# KiCad board VME_Backplane_8ActPas.kicad_pcb (continued)
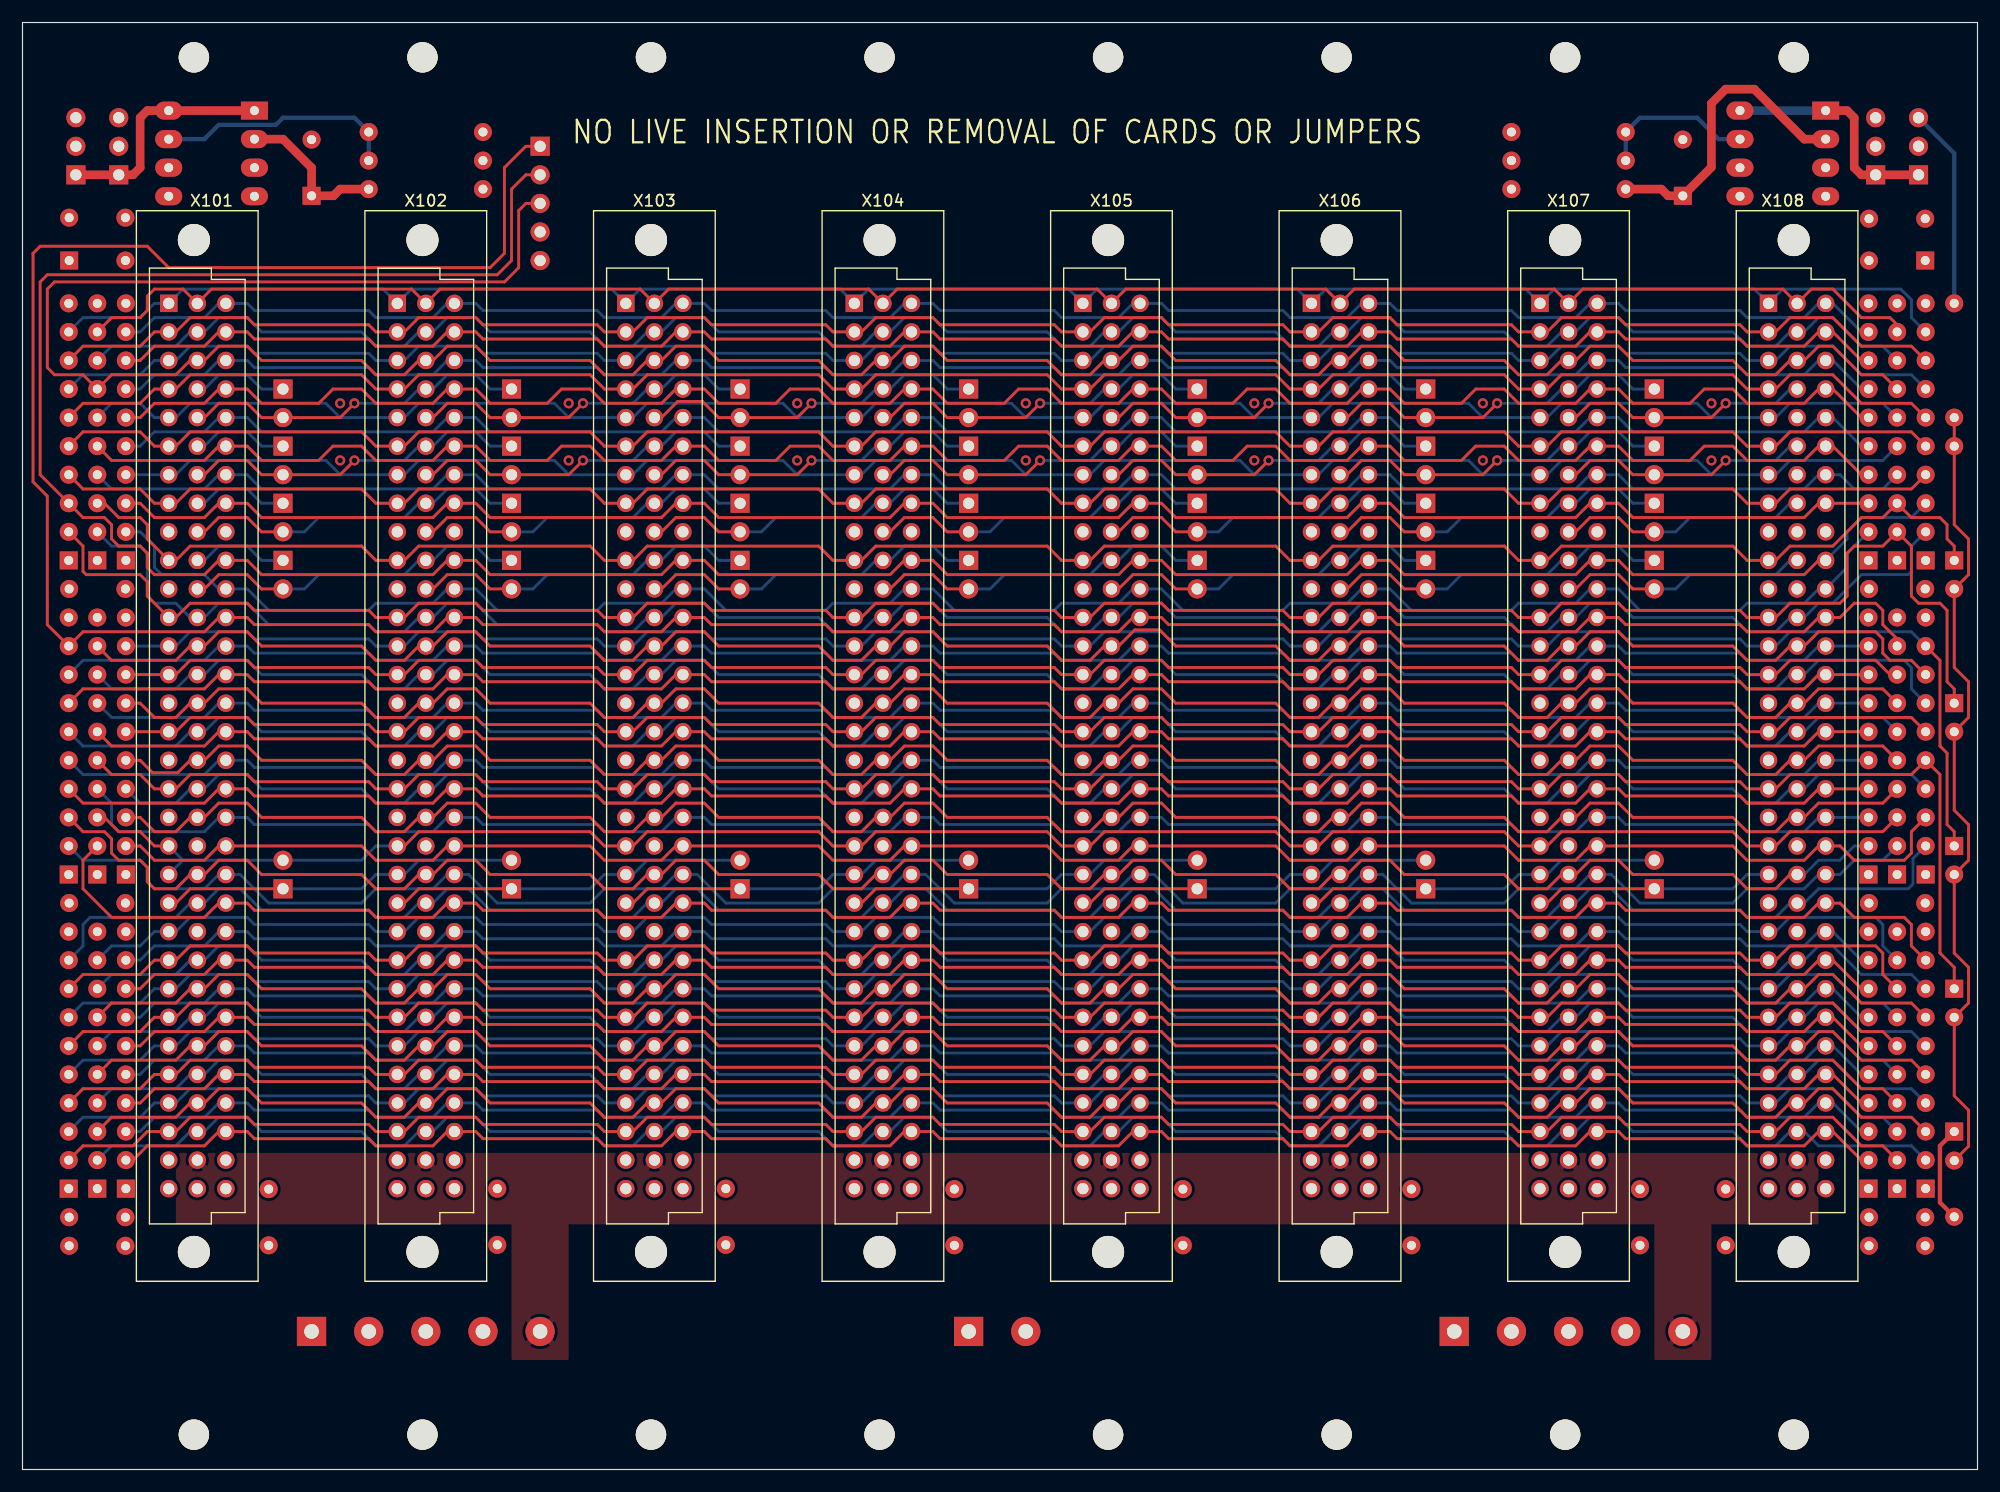
[diagram p0: board, top side]
## Nets (continued)
~{BG1OUT_6}: X106.b7 X107.b6 X406B1.2 X407B1.1
~{BG1OUT_7}: X107.b7 X108.b6 X407B1.2
~{BG2OUT_1}: X101.b9 X102.b8 X401C1.2 X402C1.1
~{BG2OUT_2}: X102.b9 X103.b8 X402C1.2 X403C1.1
~{BG2OUT_3}: X103.b9 X104.b8 X403C1.2 X404C1.1
~{BG2OUT_4}: X104.b9 X105.b8 X404C1.2 X405C1.1
~{BG2OUT_5}: X105.b9 X106.b8 X405C1.2 X406C1.1
~{BG2OUT_6}: X106.b9 X107.b8 X406C1.2 X407C1.1
~{BG2OUT_7}: X107.b9 X108.b8 X407C1.2
~{BG3OUT_1}: X101.b11 X102.b10 X401D1.2 X402D1.1
~{BG3OUT_2}: X102.b11 X103.b10 X402D1.2 X403D1.1
~{BG3OUT_3}: X103.b11 X104.b10 X403D1.2 X404D1.1
~{BG3OUT_4}: X104.b11 X105.b10 X404D1.2 X405D1.1
~{BG3OUT_5}: X105.b11 X106.b10 X405D1.2 X406D1.1
~{BG3OUT_6}: X106.b11 X107.b10 X406D1.2 X407D1.1
~{BG3OUT_7}: X107.b11 X108.b10 X407D1.2
~{BR0}: R2.2 R12.2 X101.b12 X102.b12 X103.b12 X104.b12 X105.b12 X106.b12 X107.b12 X108.b12
~{BR1}: R5.9 R15.8 X101.b13 X102.b13 X103.b13 X104.b13 X105.b13 X106.b13 X107.b13 X108.b13
~{BR2}: R5.8 R15.7 X101.b14 X102.b14 X103.b14 X104.b14 X105.b14 X106.b14 X107.b14 X108.b14
~{BR3}: R6.7 R14.7 X101.b15 X102.b15 X103.b15 X104.b15 X105.b15 X106.b15 X107.b15 X108.b15
~{DS0}: D3.1 R6.9 R15.9 X101.a13 X102.a13 X103.a13 X104.a13 X105.a13 X106.a13 X107.a13 X108.a13
~{DS1}: D2.1 R1.2 R11.2 X101.a12 X102.a12 X103.a12 X104.a12 X105.a12 X106.a12 X107.a12 X108.a12
~{DTACK}: R6.6 R15.6 X101.a16 X102.a16 X103.a16 X104.a16 X105.a16 X106.a16 X107.a16 X108.a16
~{IACKOUT_1}: X101.a22 X102.a21 X501.1 X502.2
~{IACKOUT_2}: X102.a22 X103.a21 X502.1 X503.2
~{IACKOUT_3}: X103.a22 X104.a21 X503.1 X504.2
~{IACKOUT_4}: X104.a22 X105.a21 X504.1 X505.2
~{IACKOUT_5}: X105.a22 X106.a21 X505.1 X506.2
~{IACKOUT_6}: X106.a22 X107.a21 X506.1 X507.2
~{IACKOUT_7}: X107.a22 X108.a21 X507.1
~{IACK}: R5.3 R14.3 X101.a20 X101.a21 X102.a20 X103.a20 X104.a20 X105.a20 X106.a20 X107.a20 X108.a20 X501.2
~{IRQ1}: R8.2 R18.2 X101.b30 X102.b30 X103.b30 X104.b30 X105.b30 X106.b30 X107.b30 X108.b30
~{IRQ2}: R8.3 R18.3 X101.b29 X102.b29 X103.b29 X104.b29 X105.b29 X106.b29 X107.b29 X108.b29
~{IRQ3}: R8.4 R18.4 X101.b28 X102.b28 X103.b28 X104.b28 X105.b28 X106.b28 X107.b28 X108.b28
~{IRQ4}: R8.5 R18.5 X101.b27 X102.b27 X103.b27 X104.b27 X105.b27 X106.b27 X107.b27 X108.b27
~{IRQ5}: R8.6 R18.6 X101.b26 X102.b26 X103.b26 X104.b26 X105.b26 X106.b26 X107.b26 X108.b26
~{IRQ6}: R8.7 R18.7 X101.b25 X102.b25 X103.b25 X104.b25 X105.b25 X106.b25 X107.b25 X108.b25
~{IRQ7}: R8.8 R18.8 X101.b24 X102.b24 X103.b24 X104.b24 X105.b24 X106.b24 X107.b24 X108.b24
~{LWORD}: R4.8 R13.9 X101.c13 X102.c13 X103.c13 X104.c13 X105.c13 X106.c13 X107.c13 X108.c13
~{SERDAT}: R7.9 R15.2 X101.b22 X102.b22 X103.b22 X104.b22 X105.b22 X106.b22 X107.b22 X108.b22
~{SYSFAIL}: R1.3 R12.3 X1.2 X101.c10 X102.c10 X103.c10 X104.c10 X105.c10 X106.c10 X107.c10 X108.c10
~{SYSRESET}: R4.9 R14.9 X1.1 X101.c12 X102.c12 X103.c12 X104.c12 X105.c12 X106.c12 X107.c12 X108.c12
~{WRITE}: R6.8 R14.8 X101.a14 X102.a14 X103.a14 X104.a14 X105.a14 X106.a14 X107.a14 X108.a14
Net-(C9-Pad1): C9.1 D1.2 D2.2 D3.2 D4.2 D5.2 R105.2
Net-(C14-Pad1): C14.1 R106.1 U1.2
Net-(C15-Pad1): C15.1 R107.1 U2.2
Net-(R101-Pad2): R101.2 R102.1 U1.7
Net-(R103-Pad1): R103.1 R104.1 U2.7
Net-(X101-Padb4): X101.b4 X401A1.1
Net-(X101-Padb6): X101.b6 X401B1.1
Net-(X101-Padb8): X101.b8 X401C1.1
Net-(X101-Padb10): X101.b10 X401D1.1

Pads without a net: U1 3 5 6; U2 3 5 6; X108 a22 b5 b7 b9 b11

## Via types
v1: diameter 0.9, hole 0.5, Top to Bottom, 28 vias

## Routing (per net, layer and track width the routed paths; a pad name or vN(x,y) marks a point on that pad's centre or on a via; arc(x,y) is an arc through that point)
+5V: length 17.8
  Bottom w0.381: X3H1.3 171.75,117.06 R105.1
GND: length 8.6
  Top w0.381: C9.2 170.48,23.75 170.48,28.79 D5.1
  vias: v1(28.24,94.83) v1(28.24,89.75) v1(48.56,94.83) v1(48.56,89.75) v1(68.88,94.83) v1(68.88,89.75) v1(89.2,94.83) v1(89.2,89.75) v1(109.52,94.83) v1(109.52,89.75) v1(129.84,94.83) v1(129.84,89.75) v1(150.16,94.83) v1(150.16,89.75)
A1: length 173.1
  Top w0.254: R7.2 5.38,28.79 9.82,28.79 11.09,30.06 X101.a30 13.63,30.06 14.91,31.33 19.98,31.33 20.62,30.7 30.78,30.7 31.41,30.06 X102.a30 33.96,30.06 35.23,31.33 40.3,31.33 40.94,30.7 51.1,30.7 51.73,30.06 X103.a30 54.27,30.06 55.54,31.33 60.62,31.33 61.26,30.7 71.42,30.7 72.06,30.06 X104.a30 74.59,30.06 75.87,31.33 80.94,31.33 81.58,30.7 91.74,30.7 92.38,30.06 X105.a30 94.91,30.06 96.19,31.33 101.26,31.33 101.9,30.7 112.06,30.7 112.69,30.06 X106.a30 115.23,30.06 116.5,31.33 121.58,31.33 122.22,30.7 132.38,30.7 133.01,30.06 X107.a30 135.55,30.06 136.82,31.33 141.91,31.33 142.54,30.7 152.7,30.7 153.33,30.06 X108.a30 155.88,30.06 157.14,31.33 160.95,31.33 163.5,28.79 165.4,28.79 R17.2
A2: length 173.1
  Bottom w0.254: R17.3 165.4,31.33 163.5,31.33 160.95,33.87 157.14,33.87 155.88,32.6 X108.a29 153.33,32.6 152.7,33.24 142.54,33.24 141.91,33.87 136.82,33.87 135.55,32.6 X107.a29 133.01,32.6 132.38,33.24 122.22,33.24 121.58,33.87 116.5,33.87 115.23,32.6 X106.a29 112.69,32.6 112.06,33.24 101.9,33.24 101.26,33.87 96.19,33.87 94.91,32.6 X105.a29 92.38,32.6 91.74,33.24 81.58,33.24 80.94,33.87 75.87,33.87 74.59,32.6 X104.a29 72.06,32.6 71.42,33.24 61.26,33.24 60.62,33.87 55.54,33.87 54.27,32.6 X103.a29 51.73,32.6 51.1,33.24 40.94,33.24 40.3,33.87 35.23,33.87 33.96,32.6 X102.a29 31.41,32.6 30.78,33.24 20.62,33.24 19.98,33.87 14.91,33.87 13.63,32.6 X101.a29 11.73,32.6 10.46,31.33 5.38,31.33 R7.3
A3: length 173.1
  Top w0.254: R17.4 165.4,33.87 163.5,33.87 160.95,36.41 157.14,36.41 155.88,35.14 X108.a28 153.33,35.14 152.7,35.78 142.54,35.78 141.91,36.41 136.82,36.41 135.55,35.14 X107.a28 133.01,35.14 132.38,35.78 122.22,35.78 121.58,36.41 116.5,36.41 115.23,35.14 X106.a28 112.69,35.14 112.06,35.78 101.9,35.78 101.26,36.41 96.19,36.41 94.91,35.14 X105.a28 92.38,35.14 91.74,35.78 81.58,35.78 80.94,36.41 75.87,36.41 74.59,35.14 X104.a28 72.06,35.14 71.42,35.78 61.26,35.78 60.62,36.41 55.54,36.41 54.27,35.14 X103.a28 51.73,35.14 51.1,35.78 40.94,35.78 40.3,36.41 35.23,36.41 33.96,35.14 X102.a28 31.41,35.14 30.78,35.78 20.62,35.78 19.98,36.41 14.91,36.41 13.63,35.14 X101.a28 11.73,35.14 10.46,33.87 5.38,33.87 R7.4
A4: length 173.1
  Bottom w0.254: R17.5 165.4,36.41 163.5,36.41 160.95,38.95 157.14,38.95 155.88,37.68 X108.a27 153.33,37.68 152.7,38.32 142.54,38.32 141.91,38.95 136.82,38.95 135.55,37.68 X107.a27 133.01,37.68 132.38,38.32 122.22,38.32 121.58,38.95 116.5,38.95 115.23,37.68 X106.a27 112.69,37.68 112.06,38.32 101.9,38.32 101.26,38.95 96.19,38.95 94.91,37.68 X105.a27 92.38,37.68 91.74,38.32 81.58,38.32 80.94,38.95 75.87,38.95 74.59,37.68 X104.a27 72.06,37.68 71.42,38.32 61.26,38.32 60.62,38.95 55.54,38.95 54.27,37.68 X103.a27 51.73,37.68 51.1,38.32 40.94,38.32 40.3,38.95 35.23,38.95 33.96,37.68 X102.a27 31.41,37.68 30.78,38.32 20.62,38.32 19.98,38.95 14.91,38.95 13.63,37.68 X101.a27 11.73,37.68 10.91,36.86 10.91,36.86 10.45,36.41 5.38,36.41 R7.5
A5: length 173.1
  Top w0.254: R7.6 5.38,38.95 10.46,38.95 11.73,40.22 X101.a26 13.63,40.22 14.91,41.49 19.98,41.49 20.62,40.86 30.78,40.86 31.41,40.22 X102.a26 33.96,40.22 35.23,41.49 40.3,41.49 40.94,40.86 51.1,40.86 51.73,40.22 X103.a26 54.27,40.22 55.54,41.49 60.62,41.49 61.26,40.86 71.42,40.86 72.06,40.22 X104.a26 74.59,40.22 75.87,41.49 80.94,41.49 81.58,40.86 91.74,40.86 92.38,40.22 X105.a26 94.91,40.22 96.19,41.49 101.26,41.49 101.9,40.86 112.06,40.86 112.69,40.22 X106.a26 115.23,40.22 116.5,41.49 121.58,41.49 122.22,40.86 132.38,40.86 133.01,40.22 X107.a26 135.55,40.22 136.82,41.49 141.91,41.49 142.54,40.86 152.7,40.86 153.33,40.22 X108.a26 155.88,40.22 157.14,41.49 160.95,41.49 163.5,38.95 165.4,38.95 R17.6
A6: length 173.1
  Bottom w0.254: R17.7 165.4,41.49 163.5,41.49 160.95,44.03 157.14,44.03 155.88,42.76 X108.a25 153.33,42.76 152.7,43.4 142.54,43.4 141.91,44.03 136.82,44.03 135.55,42.76 X107.a25 133.01,42.76 132.38,43.4 122.22,43.4 121.58,44.03 116.5,44.03 115.23,42.76 X106.a25 112.69,42.76 112.06,43.4 101.9,43.4 101.26,44.03 96.19,44.03 94.91,42.76 X105.a25 92.38,42.76 91.74,43.4 81.58,43.4 80.94,44.03 75.87,44.03 74.59,42.76 X104.a25 72.06,42.76 71.42,43.4 61.26,43.4 60.62,44.03 55.54,44.03 54.27,42.76 X103.a25 51.73,42.76 51.1,43.4 40.94,43.4 40.3,44.03 35.23,44.03 33.96,42.76 X102.a25 31.41,42.76 30.78,43.4 20.62,43.4 19.98,44.03 14.91,44.03 13.63,42.76 X101.a25 11.73,42.76 10.91,41.94 10.91,41.94 10.45,41.49 5.38,41.49 R7.7
A7: length 174.2
  Top w0.254: R17.8 165.4,44.03 165.4,45.94 164.76,46.57 157.14,46.57 155.88,45.3 X108.a24 153.33,45.3 152.7,45.94 142.54,45.94 141.91,46.57 136.82,46.57 135.55,45.3 X107.a24 133.01,45.3 132.38,45.94 122.22,45.94 121.58,46.57 116.5,46.57 115.23,45.3 X106.a24 112.69,45.3 112.06,45.94 101.9,45.94 101.26,46.57 96.19,46.57 94.91,45.3 X105.a24 92.38,45.3 91.74,45.94 81.58,45.94 80.94,46.57 75.87,46.57 74.59,45.3 X104.a24 72.06,45.3 71.42,45.94 61.26,45.94 60.62,46.57 55.54,46.57 54.27,45.3 X103.a24 51.73,45.3 51.1,45.94 40.94,45.94 40.3,46.57 35.23,46.57 33.96,45.3 X102.a24 31.41,45.3 30.78,45.94 20.62,45.94 19.98,46.57 14.91,46.57 13.63,45.3 X101.a24 11.73,45.3 10.46,44.03 5.38,44.03 R7.8
A8: length 164.4
  Top w0.254: R9.2 9.82,27.52 11.09,28.79 16.17,28.79 17.45,30.06 X101.c30 19.98,30.06 20.62,29.43 30.78,29.43 31.41,28.79 36.49,28.79 37.76,30.06 X102.c30 40.3,30.06 40.94,29.43 51.1,29.43 51.73,28.79 56.82,28.79 58.09,30.06 X103.c30 60.62,30.06 61.26,29.43 71.42,29.43 72.06,28.79 77.13,28.79 78.41,30.06 X104.c30 80.94,30.06 81.58,29.43 91.74,29.43 92.38,28.79 97.45,28.79 98.72,30.06 X105.c30 101.26,30.06 101.9,29.43 112.06,29.43 112.69,28.79 117.78,28.79 119.04,30.06 X106.c30 121.58,30.06 122.22,29.43 132.38,29.43 133.01,28.79 138.09,28.79 139.36,30.06 X107.c30 141.91,30.06 142.54,29.43 152.7,29.43 153.33,28.79 158.41,28.79 159.69,30.06 X108.c30 160.95,30.06 163.5,27.52 R16.2
A9: length 164.4
  Bottom w0.254: R9.3 10.46,30.06 11.73,31.33 16.17,31.33 17.45,32.6 X101.c29 19.98,32.6 20.62,31.97 30.78,31.97 31.41,31.33 36.49,31.33 37.76,32.6 X102.c29 40.3,32.6 40.94,31.97 51.1,31.97 51.73,31.33 56.82,31.33 58.09,32.6 X103.c29 60.62,32.6 61.26,31.97 71.42,31.97 72.06,31.33 77.13,31.33 78.41,32.6 X104.c29 80.94,32.6 81.58,31.97 91.74,31.97 92.38,31.33 97.45,31.33 98.72,32.6 X105.c29 101.26,32.6 101.9,31.97 112.06,31.97 112.69,31.33 117.78,31.33 119.04,32.6 X106.c29 121.58,32.6 122.22,31.97 132.38,31.97 133.01,31.33 138.09,31.33 139.36,32.6 X107.c29 141.91,32.6 142.54,31.97 152.7,31.97 153.33,31.33 158.41,31.33 159.69,32.6 X108.c29 160.95,32.6 163.5,30.06 R16.3
A10: length 164.4
  Top w0.254: R16.4 163.5,32.6 160.95,35.14 X108.c28 159.69,35.14 158.41,33.87 153.33,33.87 152.7,34.51 142.54,34.51 141.91,35.14 X107.c28 139.36,35.14 138.09,33.87 133.01,33.87 132.38,34.51 122.22,34.51 121.58,35.14 X106.c28 119.04,35.14 117.78,33.87 112.69,33.87 112.06,34.51 101.9,34.51 101.26,35.14 X105.c28 98.72,35.14 97.45,33.87 92.38,33.87 91.74,34.51 81.58,34.51 80.94,35.14 X104.c28 78.41,35.14 77.13,33.87 72.06,33.87 71.42,34.51 61.26,34.51 60.62,35.14 X103.c28 58.09,35.14 56.82,33.87 51.73,33.87 51.1,34.51 40.94,34.51 40.3,35.14 X102.c28 37.76,35.14 36.49,33.87 31.41,33.87 30.78,34.51 20.62,34.51 19.98,35.14 X101.c28 17.45,35.14 16.17,33.87 11.73,33.87 10.46,32.6 R9.4
A11: length 164.4
  Bottom w0.254: R16.5 163.5,35.14 160.95,37.68 X108.c27 159.69,37.68 158.41,36.41 153.33,36.41 152.7,37.05 142.54,37.05 141.91,37.68 X107.c27 139.36,37.68 138.09,36.41 133.01,36.41 132.38,37.05 122.22,37.05 121.58,37.68 X106.c27 119.04,37.68 117.78,36.41 112.69,36.41 112.06,37.05 101.9,37.05 101.26,37.68 X105.c27 98.72,37.68 97.45,36.41 92.38,36.41 91.74,37.05 81.58,37.05 80.94,37.68 X104.c27 78.41,37.68 77.13,36.41 72.06,36.41 71.42,37.05 61.26,37.05 60.62,37.68 X103.c27 58.09,37.68 56.82,36.41 51.73,36.41 51.1,37.05 40.94,37.05 40.3,37.68 X102.c27 37.76,37.68 36.49,36.41 31.41,36.41 30.78,37.05 20.62,37.05 19.98,37.68 X101.c27 17.45,37.68 16.17,36.41 11.73,36.41 10.46,35.14 R9.5
A12: length 164.4
  Top w0.254: R9.6 10.46,37.68 11.73,38.95 16.17,38.95 17.45,40.22 X101.c26 19.98,40.22 20.62,39.59 30.78,39.59 31.41,38.95 36.49,38.95 37.76,40.22 X102.c26 40.3,40.22 40.94,39.59 51.1,39.59 51.73,38.95 56.82,38.95 58.09,40.22 X103.c26 60.62,40.22 61.26,39.59 71.42,39.59 72.06,38.95 77.13,38.95 78.41,40.22 X104.c26 80.94,40.22 81.58,39.59 91.74,39.59 92.38,38.95 97.45,38.95 98.72,40.22 X105.c26 101.26,40.22 101.9,39.59 112.06,39.59 112.69,38.95 117.78,38.95 119.04,40.22 X106.c26 121.58,40.22 122.22,39.59 132.38,39.59 133.01,38.95 138.09,38.95 139.36,40.22 X107.c26 141.91,40.22 142.54,39.59 152.7,39.59 153.33,38.95 158.41,38.95 159.69,40.22 X108.c26 160.95,40.22 163.5,37.68 R16.6
A13: length 164.4
  Bottom w0.254: R9.7 10.46,40.22 11.73,41.49 16.17,41.49 17.45,42.76 X101.c25 19.98,42.76 20.62,42.13 30.78,42.13 31.41,41.49 36.49,41.49 37.76,42.76 X102.c25 40.3,42.76 40.94,42.13 51.1,42.13 51.73,41.49 56.82,41.49 58.09,42.76 X103.c25 60.62,42.76 61.26,42.13 71.42,42.13 72.06,41.49 77.13,41.49 78.41,42.76 X104.c25 80.94,42.76 81.58,42.13 91.74,42.13 92.38,41.49 97.45,41.49 98.72,42.76 X105.c25 101.26,42.76 101.9,42.13 112.06,42.13 112.69,41.49 117.78,41.49 119.04,42.76 X106.c25 121.58,42.76 122.22,42.13 132.38,42.13 133.01,41.49 138.09,41.49 139.36,42.76 X107.c25 141.91,42.76 142.54,42.13 152.7,42.13 153.33,41.49 158.41,41.49 159.69,42.76 X108.c25 160.95,42.76 163.5,40.22 R16.7
A14: length 164.4
  Top w0.254: R9.8 10.46,42.76 11.73,44.03 16.17,44.03 17.45,45.3 X101.c24 19.98,45.3 20.62,44.67 30.78,44.67 31.41,44.03 36.49,44.03 37.76,45.3 X102.c24 40.3,45.3 40.94,44.67 51.1,44.67 51.73,44.03 56.82,44.03 58.09,45.3 X103.c24 60.62,45.3 61.26,44.67 71.42,44.67 72.06,44.03 77.13,44.03 78.41,45.3 X104.c24 80.94,45.3 81.58,44.67 91.74,44.67 92.38,44.03 97.45,44.03 98.72,45.3 X105.c24 101.26,45.3 101.9,44.67 112.06,44.67 112.69,44.03 117.78,44.03 119.04,45.3 X106.c24 121.58,45.3 122.22,44.67 132.38,44.67 133.01,44.03 138.09,44.03 139.36,45.3 X107.c24 141.91,45.3 142.54,44.67 152.7,44.67 153.33,44.03 158.41,44.03 159.69,45.3 X108.c24 160.95,45.3 163.5,42.76 R16.8
A15: length 164.4
  Bottom w0.254: R16.9 163.5,45.3 160.95,47.84 X108.c23 159.69,47.84 158.41,46.57 153.33,46.57 152.7,47.21 142.54,47.21 141.91,47.84 X107.c23 139.36,47.84 138.09,46.57 133.01,46.57 132.38,47.21 122.22,47.21 121.58,47.84 X106.c23 119.04,47.84 117.78,46.57 112.69,46.57 112.06,47.21 101.9,47.21 101.26,47.84 X105.c23 98.72,47.84 97.45,46.57 92.38,46.57 91.74,47.21 81.58,47.21 80.94,47.84 X104.c23 78.41,47.84 77.13,46.57 72.06,46.57 71.42,47.21 61.26,47.21 60.62,47.84 X103.c23 58.09,47.84 56.82,46.57 51.73,46.57 51.1,47.21 40.94,47.21 40.3,47.84 X102.c23 37.76,47.84 36.49,46.57 31.41,46.57 30.78,47.21 20.62,47.21 19.98,47.84 X101.c23 17.45,47.84 16.17,46.57 11.73,46.57 10.46,45.3 R9.9
A16: length 180.3
  Top w0.254: R18.9 167.94,46.57 167.94,48.48 167.3,49.11 162.86,49.11 161.59,50.38 X108.c22 159.69,50.38 158.41,49.11 153.33,49.11 152.7,49.75 142.54,49.75 141.91,50.38 X107.c22 139.36,50.38 138.09,49.11 133.01,49.11 132.38,49.75 122.22,49.75 121.58,50.38 X106.c22 119.04,50.38 117.78,49.11 112.69,49.11 112.06,49.75 101.9,49.75 101.26,50.38 X105.c22 98.72,50.38 97.45,49.11 92.38,49.11 91.74,49.75 81.58,49.75 80.94,50.38 X104.c22 78.41,50.38 77.13,49.11 72.06,49.11 71.42,49.75 61.26,49.75 60.62,50.38 X103.c22 58.09,50.38 56.82,49.11 51.73,49.11 51.1,49.75 40.94,49.75 40.3,50.38 X102.c22 37.76,50.38 36.49,49.11 31.41,49.11 30.78,49.75 20.62,49.75 19.98,50.38 X101.c22 17.45,50.38 16.17,49.11 7.92,49.11 5.38,51.65 5.38,54.19 R5.2
A17: length 181.2
  Bottom w0.254: R4.2 5.38,54.19 10.46,54.19 11.09,53.56 11.09,52.29 11.73,51.65 16.17,51.65 17.45,52.92 X101.c21 19.35,52.92 21.89,50.38 30.15,50.38 31.41,51.65 36.49,51.65 37.76,52.92 X102.c21 39.67,52.92 42.21,50.38 50.46,50.38 51.73,51.65 56.82,51.65 58.09,52.92 X103.c21 59.99,52.92 62.53,50.38 70.78,50.38 72.06,51.65 77.13,51.65 78.41,52.92 X104.c21 80.31,52.92 82.85,50.38 91.1,50.38 92.38,51.65 97.45,51.65 98.72,52.92 X105.c21 100.63,52.92 103.17,50.38 111.42,50.38 112.69,51.65 117.78,51.65 119.04,52.92 X106.c21 120.95,52.92 123.49,50.38 131.75,50.38 133.01,51.65 138.09,51.65 139.36,52.92 X107.c21 141.27,52.92 143.81,50.38 152.06,50.38 153.33,51.65 158.41,51.65 159.69,52.92 X108.c21 161.59,52.92 162.86,54.19 165.4,54.19 R14.2
A18: length 171.7
  Top w0.254: R15.3 167.94,56.73 167.94,54.83 167.3,54.19 162.86,54.19 161.59,55.46 X108.c20 159.69,55.46 158.41,54.19 153.33,54.19 152.06,55.46 X107.c20 139.36,55.46 138.09,54.19 133.01,54.19 131.75,55.46 X106.c20 119.04,55.46 117.78,54.19 112.69,54.19 111.42,55.46 X105.c20 98.72,55.46 97.45,54.19 92.38,54.19 91.1,55.46 X104.c20 78.41,55.46 77.13,54.19 72.06,54.19 70.78,55.46 X103.c20 58.09,55.46 56.82,54.19 51.73,54.19 50.46,55.46 X102.c20 37.76,55.46 36.49,54.19 31.41,54.19 30.15,55.46 X101.c20 17.45,55.46 16.17,54.19 11.73,54.19 10.46,55.46 R6.2
A19: length 168.1
  Bottom w0.254: R13.3 X108.c19 159.69,58 158.41,56.73 153.33,56.73 152.7,57.37 142.54,57.37 141.91,58 X107.c19 139.36,58 138.09,56.73 133.01,56.73 132.38,57.37 122.22,57.37 121.58,58 X106.c19 119.04,58 117.78,56.73 112.69,56.73 112.06,57.37 101.9,57.37 101.26,58 X105.c19 98.72,58 97.45,56.73 92.38,56.73 91.74,57.37 81.58,57.37 80.94,58 X104.c19 78.41,58 77.13,56.73 72.06,56.73 71.42,57.37 61.26,57.37 60.62,58 X103.c19 58.09,58 56.82,56.73 51.73,56.73 51.1,57.37 40.94,57.37 40.3,58 X102.c19 37.76,58 36.49,56.73 31.41,56.73 30.78,57.37 20.62,57.37 19.98,58 X101.c19 17.45,58 16.17,56.73 8.55,56.73 7.92,57.37 7.92,59.27 R5.4
A20: length 168.4
  Top w0.254: R4.4 5.38,59.27 16.17,59.27 17.45,60.54 X101.c18 19.98,60.54 20.62,59.91 30.78,59.91 31.41,59.27 36.49,59.27 37.76,60.54 X102.c18 40.3,60.54 40.94,59.91 51.1,59.91 51.73,59.27 56.82,59.27 58.09,60.54 X103.c18 60.62,60.54 61.26,59.91 71.42,59.91 72.06,59.27 77.13,59.27 78.41,60.54 X104.c18 80.94,60.54 81.58,59.91 91.74,59.91 92.38,59.27 97.45,59.27 98.72,60.54 X105.c18 101.26,60.54 101.9,59.91 112.06,59.91 112.69,59.27 117.78,59.27 119.04,60.54 X106.c18 121.58,60.54 122.22,59.91 132.38,59.91 133.01,59.27 138.09,59.27 139.36,60.54 X107.c18 141.91,60.54 142.54,59.91 152.7,59.91 153.33,59.27 158.41,59.27 159.69,60.54 X108.c18 R13.4
A21: length 168.4
  Bottom w0.254: R13.5 X108.c17 159.69,63.08 158.41,61.81 153.33,61.81 152.7,62.45 142.54,62.45 141.91,63.08 X107.c17 139.36,63.08 138.09,61.81 133.01,61.81 132.38,62.45 122.22,62.45 121.58,63.08 X106.c17 119.04,63.08 117.78,61.81 112.69,61.81 112.06,62.45 101.9,62.45 101.26,63.08 X105.c17 98.72,63.08 97.45,61.81 92.38,61.81 91.74,62.45 81.58,62.45 80.94,63.08 X104.c17 78.41,63.08 77.13,61.81 72.06,61.81 71.42,62.45 61.26,62.45 60.62,63.08 X103.c17 58.09,63.08 56.82,61.81 51.73,61.81 51.1,62.45 40.94,62.45 40.3,63.08 X102.c17 37.76,63.08 36.49,61.81 31.41,61.81 30.78,62.45 20.62,62.45 19.98,63.08 X101.c17 17.45,63.08 16.17,61.81 5.38,61.81 R4.5
A22: length 165.9
  Top w0.254: R13.6 X108.c16 159.69,65.62 158.41,64.35 153.33,64.35 152.7,64.99 142.54,64.99 141.91,65.62 X107.c16 139.36,65.62 138.09,64.35 133.01,64.35 132.38,64.99 122.22,64.99 121.58,65.62 X106.c16 119.04,65.62 117.78,64.35 112.69,64.35 112.06,64.99 101.9,64.99 101.26,65.62 X105.c16 98.72,65.62 97.45,64.35 92.38,64.35 91.74,64.99 81.58,64.99 80.94,65.62 X104.c16 78.41,65.62 77.13,64.35 72.06,64.35 71.42,64.99 61.26,64.99 60.62,65.62 X103.c16 58.09,65.62 56.82,64.35 51.73,64.35 51.1,64.99 40.94,64.99 40.3,65.62 X102.c16 37.76,65.62 36.49,64.35 31.41,64.35 30.78,64.99 20.62,64.99 19.98,65.62 X101.c16 17.45,65.62 16.17,64.35 7.92,64.35 R5.6
A23: length 165.9
  Bottom w0.254: R13.7 X108.c15 159.69,68.16 158.41,66.89 153.33,66.89 152.7,67.53 142.54,67.53 141.91,68.16 X107.c15 139.36,68.16 138.09,66.89 133.01,66.89 132.38,67.53 122.22,67.53 121.58,68.16 X106.c15 119.04,68.16 117.78,66.89 112.69,66.89 112.06,67.53 101.9,67.53 101.26,68.16 X105.c15 98.72,68.16 97.45,66.89 92.38,66.89 91.74,67.53 81.58,67.53 80.94,68.16 X104.c15 78.41,68.16 77.13,66.89 72.06,66.89 71.42,67.53 61.26,67.53 60.62,68.16 X103.c15 58.09,68.16 56.82,66.89 51.73,66.89 51.1,67.53 40.94,67.53 40.3,68.16 X102.c15 37.76,68.16 36.49,66.89 31.41,66.89 30.78,67.53 20.62,67.53 19.98,68.16 X101.c15 17.45,68.16 16.17,66.89 7.92,66.89 R5.7
AM: length 171.7
  Bottom w0.254: R17.9 165.4,46.57 165.4,48.48 164.76,49.11 157.14,49.11 155.88,47.84 X108.a23 153.33,47.84 152.7,48.48 142.54,48.48 141.91,49.11 136.82,49.11 135.55,47.84 X107.a23 133.01,47.84 132.38,48.48 122.22,48.48 121.58,49.11 116.5,49.11 115.23,47.84 X106.a23 112.69,47.84 112.06,48.48 101.9,48.48 101.26,49.11 96.19,49.11 94.91,47.84 X105.a23 92.38,47.84 91.74,48.48 81.58,48.48 80.94,49.11 75.87,49.11 74.59,47.84 X104.a23 72.06,47.84 71.42,48.48 61.26,48.48 60.62,49.11 55.54,49.11 54.27,47.84 X103.a23 51.73,47.84 51.1,48.48 40.94,48.48 40.3,49.11 35.23,49.11 33.96,47.84 X102.a23 31.41,47.84 30.78,48.48 20.62,48.48 19.98,49.11 14.91,49.11 13.63,47.84 X101.a23 11.73,47.84 10.46,46.57 7.92,46.57 R8.9
AM0: length 179.4
  Bottom w0.254: R14.6 165.4,66.89 159.69,66.89 158.41,65.62 X108.b16 157.14,65.62 155.88,64.35 153.33,64.35 152.06,65.62 143.17,65.62 141.91,66.89 139.36,66.89 138.09,65.62 X107.b16 136.82,65.62 135.55,64.35 133.01,64.35 131.75,65.62 122.85,65.62 121.58,66.89 119.04,66.89 117.78,65.62 X106.b16 116.5,65.62 115.23,64.35 112.69,64.35 111.42,65.62 102.53,65.62 101.26,66.89 98.72,66.89 97.45,65.62 X105.b16 96.19,65.62 94.91,64.35 92.38,64.35 91.1,65.62 82.22,65.62 80.94,66.89 78.41,66.89 77.13,65.62 X104.b16 75.87,65.62 74.59,64.35 72.06,64.35 70.78,65.62 61.9,65.62 60.62,66.89 58.09,66.89 56.82,65.62 X103.b16 55.54,65.62 54.27,64.35 51.73,64.35 50.46,65.62 41.57,65.62 40.3,66.89 37.76,66.89 36.49,65.62 X102.b16 35.23,65.62 33.96,64.35 31.41,64.35 30.15,65.62 21.26,65.62 19.98,66.89 17.45,66.89 16.17,65.62 X101.b16 14.91,65.62 13.63,64.35 5.38,64.35 R4.6
AM1: length 174.2
  Top w0.254: R6.5 10.46,63.08 11.56,61.98 13.8,61.98 14.91,63.08 X101.b17 16.17,63.08 17.45,64.35 19.98,64.35 21.26,63.08 30.15,63.08 31.41,61.81 33.96,61.81 35.23,63.08 X102.b17 36.49,63.08 37.76,64.35 40.3,64.35 41.57,63.08 50.46,63.08 51.73,61.81 54.27,61.81 55.54,63.08 X103.b17 56.82,63.08 58.09,64.35 60.62,64.35 61.9,63.08 70.78,63.08 72.06,61.81 74.59,61.81 75.87,63.08 X104.b17 77.13,63.08 78.41,64.35 80.94,64.35 82.22,63.08 91.1,63.08 92.38,61.81 94.91,61.81 96.19,63.08 X105.b17 97.45,63.08 98.72,64.35 101.26,64.35 102.53,63.08 111.42,63.08 112.69,61.81 115.23,61.81 116.5,63.08 X106.b17 117.78,63.08 119.04,64.35 121.58,64.35 122.85,63.08 131.75,63.08 133.01,61.81 135.55,61.81 136.82,63.08 X107.b17 138.09,63.08 139.36,64.35 141.91,64.35 143.17,63.08 152.06,63.08 153.33,61.81 155.88,61.81 157.14,63.08 X108.b17 158.41,63.08 159.69,64.35 165.4,64.35 R14.5
AM2: length 176.9
  Bottom w0.254: R6.4 10.46,59.27 13.63,59.27 14.91,60.54 X101.b18 16.17,60.54 17.45,61.81 19.98,61.81 21.26,60.54 30.15,60.54 31.41,59.27 33.96,59.27 35.23,60.54 X102.b18 36.49,60.54 37.76,61.81 40.3,61.81 41.57,60.54 50.46,60.54 51.73,59.27 54.27,59.27 55.54,60.54 X103.b18 56.82,60.54 58.09,61.81 60.62,61.81 61.9,60.54 70.78,60.54 72.06,59.27 74.59,59.27 75.87,60.54 X104.b18 77.13,60.54 78.41,61.81 80.94,61.81 82.22,60.54 91.1,60.54 92.38,59.27 94.91,59.27 96.19,60.54 X105.b18 97.45,60.54 98.72,61.81 101.26,61.81 102.53,60.54 111.42,60.54 112.69,59.27 115.23,59.27 116.5,60.54 X106.b18 117.78,60.54 119.04,61.81 121.58,61.81 122.85,60.54 131.75,60.54 133.01,59.27 135.55,59.27 136.82,60.54 X107.b18 138.09,60.54 139.36,61.81 141.91,61.81 143.17,60.54 152.06,60.54 153.33,59.27 155.88,59.27 157.14,60.54 X108.b18 158.41,60.54 159.69,61.81 167.94,61.81 R15.4
AM3: length 174.3
  Top w0.254: R14.4 165.4,59.27 159.69,59.27 158.41,58 X108.b19 157.14,58 155.88,56.73 153.33,56.73 152.06,58 143.17,58 141.91,59.27 139.36,59.27 138.09,58 X107.b19 136.82,58 135.55,56.73 133.01,56.73 131.75,58 122.85,58 121.58,59.27 119.04,59.27 117.78,58 X106.b19 116.5,58 115.23,56.73 112.69,56.73 111.42,58 102.53,58 101.26,59.27 98.72,59.27 97.45,58 X105.b19 96.19,58 94.91,56.73 92.38,56.73 91.1,58 82.22,58 80.94,59.27 78.41,59.27 77.13,58 X104.b19 75.87,58 74.59,56.73 72.06,56.73 70.78,58 61.9,58 60.62,59.27 58.09,59.27 56.82,58 X103.b19 55.54,58 54.27,56.73 51.73,56.73 50.46,58 41.57,58 40.3,59.27 37.76,59.27 36.49,58 X102.b19 35.23,58 33.96,56.73 31.41,56.73 30.15,58 21.26,58 19.98,59.27 17.45,59.27 16.17,58 X101.b19 14.91,58 13.63,56.73 11.73,56.73 10.46,58 R6.3
AM5: length 168.4
  Top w0.254: R13.8 X108.c14 159.69,70.7 158.41,69.43 153.33,69.43 152.7,70.07 142.54,70.07 141.91,70.7 X107.c14 139.36,70.7 138.09,69.43 133.01,69.43 132.38,70.07 122.22,70.07 121.58,70.7 X106.c14 119.04,70.7 117.78,69.43 112.69,69.43 112.06,70.07 101.9,70.07 101.26,70.7 X105.c14 98.72,70.7 97.45,69.43 92.38,69.43 91.74,70.07 81.58,70.07 80.94,70.7 X104.c14 78.41,70.7 77.13,69.43 72.06,69.43 71.42,70.07 61.26,70.07 60.62,70.7 X103.c14 58.09,70.7 56.82,69.43 51.73,69.43 51.1,70.07 40.94,70.07 40.3,70.7 X102.c14 37.76,70.7 36.49,69.43 31.41,69.43 30.78,70.07 20.62,70.07 19.98,70.7 X101.c14 17.45,70.7 16.17,69.43 5.38,69.43 R4.7
D0: length 176.6
  Bottom w0.254: R1.9 5.38,102.45 10.46,102.45 11.73,103.72 X101.a1 14.27,104.99 32.05,104.99 X102.a1 34.59,104.99 52.37,104.99 X103.a1 54.91,104.99 72.69,104.99 X104.a1 75.23,104.99 93.01,104.99 X105.a1 95.55,104.99 113.33,104.99 X106.a1 115.87,104.99 133.65,104.99 X107.a1 136.19,104.99 153.97,104.99 X108.a1 156.51,104.99 166.99,104.99 167.94,104.04 167.94,102.45 R12.9
D1: length 175.6
  Top w0.254: R12.8 167.94,99.91 163.5,99.91 160.95,102.45 157.14,102.45 155.88,101.18 X108.a2 153.33,101.18 152.7,101.82 142.54,101.82 141.91,102.45 136.82,102.45 135.55,101.18 X107.a2 133.01,101.18 132.38,101.82 122.22,101.82 121.58,102.45 116.5,102.45 115.23,101.18 X106.a2 112.69,101.18 112.06,101.82 101.9,101.82 101.26,102.45 96.19,102.45 94.91,101.18 X105.a2 92.38,101.18 91.74,101.82 81.58,101.82 80.94,102.45 75.87,102.45 74.59,101.18 X104.a2 72.06,101.18 71.42,101.82 61.26,101.82 60.62,102.45 55.54,102.45 54.27,101.18 X103.a2 51.73,101.18 51.1,101.82 40.94,101.82 40.3,102.45 35.23,102.45 33.96,101.18 X102.a2 31.41,101.18 30.78,101.82 20.62,101.82 19.98,102.45 14.91,102.45 13.63,101.18 X101.a2 11.73,101.18 10.46,99.91 5.38,99.91 R1.8
D2: length 175.6
  Bottom w0.254: R1.7 5.38,97.37 10.46,97.37 11.73,98.64 X101.a3 13.63,98.64 14.91,99.91 19.98,99.91 20.62,99.28 30.78,99.28 31.41,98.64 X102.a3 33.96,98.64 35.23,99.91 40.3,99.91 40.94,99.28 51.1,99.28 51.73,98.64 X103.a3 54.27,98.64 55.54,99.91 60.62,99.91 61.26,99.28 71.42,99.28 72.06,98.64 X104.a3 74.59,98.64 75.87,99.91 80.94,99.91 81.58,99.28 91.74,99.28 92.38,98.64 X105.a3 94.91,98.64 96.19,99.91 101.26,99.91 101.9,99.28 112.06,99.28 112.69,98.64 X106.a3 115.23,98.64 116.5,99.91 121.58,99.91 122.22,99.28 132.38,99.28 133.01,98.64 X107.a3 135.55,98.64 136.82,99.91 141.91,99.91 142.54,99.28 152.7,99.28 153.33,98.64 X108.a3 155.88,98.64 157.14,99.91 160.95,99.91 163.5,97.37 167.94,97.37 R12.7
D3: length 175.6
  Top w0.254: R1.6 5.38,94.83 10.46,94.83 11.73,96.1 X101.a4 13.63,96.1 14.91,97.37 30.15,97.37 31.41,96.1 X102.a4 33.96,96.1 35.23,97.37 50.46,97.37 51.73,96.1 X103.a4 54.27,96.1 55.54,97.37 70.78,97.37 72.06,96.1 X104.a4 74.59,96.1 75.87,97.37 91.1,97.37 92.38,96.1 X105.a4 94.91,96.1 96.19,97.37 111.42,97.37 112.69,96.1 X106.a4 115.23,96.1 116.5,97.37 131.75,97.37 133.01,96.1 X107.a4 135.55,96.1 136.82,97.37 152.06,97.37 153.33,96.1 X108.a4 155.88,96.1 157.14,97.37 160.95,97.37 163.5,94.83 167.94,94.83 R12.6
D4: length 169.5
  Bottom w0.254: R11.6 165.4,94.83 157.14,94.83 155.88,93.56 X108.a5 150.16,93.56 148.89,94.83 136.82,94.83 135.55,93.56 X107.a5 129.84,93.56 128.57,94.83 116.5,94.83 115.23,93.56 X106.a5 109.52,93.56 108.25,94.83 96.19,94.83 94.91,93.56 X105.a5 89.2,93.56 87.93,94.83 75.87,94.83 74.59,93.56 X104.a5 68.88,93.56 67.61,94.83 55.54,94.83 54.27,93.56 X103.a5 48.56,93.56 47.29,94.83 35.23,94.83 33.96,93.56 X102.a5 28.24,93.56 26.97,94.83 14.91,94.83 13.63,93.56 X101.a5 11.73,93.56 10.46,94.83 7.92,94.83 R2.6
D5: length 174.6
  Top w0.254: R12.5 167.94,92.29 157.14,92.29 155.88,91.02 X108.a6 153.33,91.02 152.06,92.29 136.82,92.29 135.55,91.02 X107.a6 133.01,91.02 131.75,92.29 116.5,92.29 115.23,91.02 X106.a6 112.69,91.02 111.42,92.29 96.19,92.29 94.91,91.02 X105.a6 92.38,91.02 91.1,92.29 75.87,92.29 74.59,91.02 X104.a6 72.06,91.02 70.78,92.29 55.54,92.29 54.27,91.02 X103.a6 51.73,91.02 50.46,92.29 35.23,92.29 33.96,91.02 X102.a6 31.41,91.02 30.15,92.29 14.91,92.29 13.63,91.02 X101.a6 11.73,91.02 10.46,92.29 5.38,92.29 R1.5
D6: length 165.9
  Bottom w0.254: R11.5 165.4,89.75 157.14,89.75 155.88,88.48 X108.a7 150.16,88.48 148.89,89.75 136.82,89.75 135.55,88.48 X107.a7 129.84,88.48 128.57,89.75 116.5,89.75 115.23,88.48 X106.a7 109.52,88.48 108.25,89.75 96.19,89.75 94.91,88.48 X105.a7 89.2,88.48 87.93,89.75 75.87,89.75 74.59,88.48 X104.a7 68.88,88.48 67.61,89.75 55.54,89.75 54.27,88.48 X103.a7 48.56,88.48 47.29,89.75 35.23,89.75 33.96,88.48 X102.a7 28.24,88.48 26.97,89.75 14.91,89.75 13.63,88.48 X101.a7 R3.4
D7: length 174.6
  Top w0.254: R12.4 167.94,87.21 157.14,87.21 155.88,85.94 X108.a8 153.33,85.94 152.06,87.21 136.82,87.21 135.55,85.94 X107.a8 133.01,85.94 131.75,87.21 116.5,87.21 115.23,85.94 X106.a8 112.69,85.94 111.42,87.21 96.19,87.21 94.91,85.94 X105.a8 92.38,85.94 91.1,87.21 75.87,87.21 74.59,85.94 X104.a8 72.06,85.94 70.78,87.21 55.54,87.21 54.27,85.94 X103.a8 51.73,85.94 50.46,87.21 35.23,87.21 33.96,85.94 X102.a8 31.41,85.94 30.15,87.21 14.91,87.21 13.63,85.94 X101.a8 11.73,85.94 10.46,87.21 5.38,87.21 R1.4
D8: length 164.4
  Bottom w0.254: R10.9 163.5,101.18 160.95,103.72 X108.c1 159.69,103.72 158.41,102.45 153.33,102.45 152.7,103.09 142.54,103.09 141.91,103.72 X107.c1 139.36,103.72 138.09,102.45 133.01,102.45 132.38,103.09 122.22,103.09 121.58,103.72 X106.c1 119.04,103.72 117.78,102.45 112.69,102.45 112.06,103.09 101.9,103.09 101.26,103.72 X105.c1 98.72,103.72 97.45,102.45 92.38,102.45 91.74,103.09 81.58,103.09 80.94,103.72 X104.c1 78.41,103.72 77.13,102.45 72.06,102.45 71.42,103.09 61.26,103.09 60.62,103.72 X103.c1 58.09,103.72 56.82,102.45 51.73,102.45 51.1,103.09 40.94,103.09 40.3,103.72 X102.c1 37.76,103.72 36.49,102.45 31.41,102.45 30.78,103.09 20.62,103.09 19.98,103.72 X101.c1 17.45,103.72 16.17,102.45 11.73,102.45 10.46,101.18 R3.9
D9: length 164.4
  Top w0.254: R10.8 163.5,98.64 160.95,101.18 X108.c2 159.69,101.18 158.41,99.91 153.33,99.91 152.7,100.55 142.54,100.55 141.91,101.18 X107.c2 139.36,101.18 138.09,99.91 133.01,99.91 132.38,100.55 122.22,100.55 121.58,101.18 X106.c2 119.04,101.18 117.78,99.91 112.69,99.91 112.06,100.55 101.9,100.55 101.26,101.18 X105.c2 98.72,101.18 97.45,99.91 92.38,99.91 91.74,100.55 81.58,100.55 80.94,101.18 X104.c2 78.41,101.18 77.13,99.91 72.06,99.91 71.42,100.55 61.26,100.55 60.62,101.18 X103.c2 58.09,101.18 56.82,99.91 51.73,99.91 51.1,100.55 40.94,100.55 40.3,101.18 X102.c2 37.76,101.18 36.49,99.91 31.41,99.91 30.78,100.55 20.62,100.55 19.98,101.18 X101.c2 17.45,101.18 16.17,99.91 11.73,99.91 10.46,98.64 R3.8
